# Altium PCB Fri3d_2020_Time_Blaster_01.PcbDoc (part 2 of 2)
Units mm, origin at the board's own origin, x right, y up, seen from the top; angles counter-clockwise.
Board outline 161.79 x 127.06 mm, 2 copper layers (Top Layer, Bottom Layer), stack 1.571 mm thick; 73 components, 58 nets, 276 pads, 26 vias.
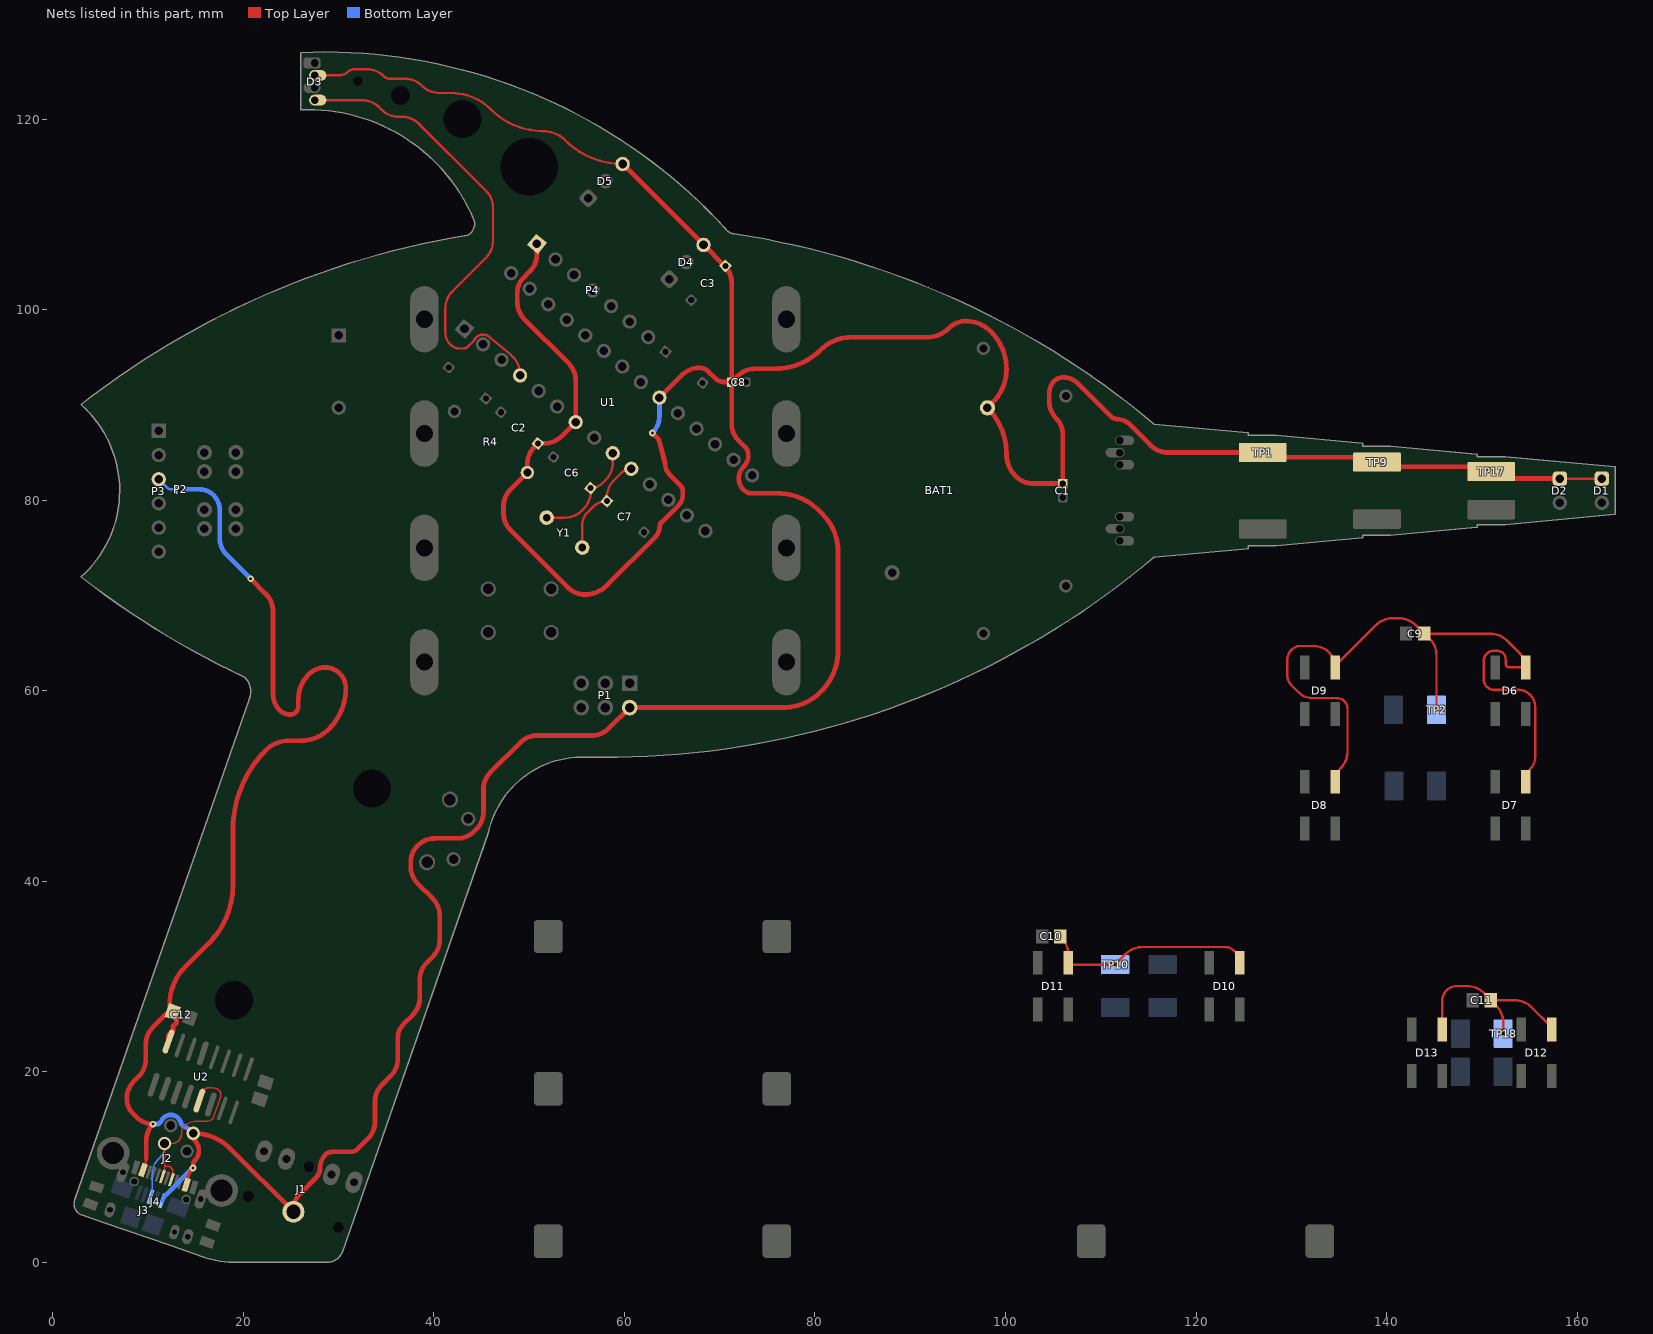
[diagram p2: the nets of this part, all layers, seen from the top]

## Via types
v1: diameter 0.7, hole 0.3, Top Layer to Bottom Layer, 26 vias

## Nets (pads, with @x,y where several pads share a name; then routed paths per layer and width w, separated by ;. In a path a pad name is that pad's centre, name@x,y a point inside that pad or via, vN(x,y) a via of type N, cw(c..) or ccw(c..) an arc to the next point about the centre after c; other vN are vias at no path point) (continued)
USB.D_p: J2.3 J3.3 J4.A6 J4.B6 U2.5 | length 24.2
  Top Layer w0.15: J4.A6@11.493,8.99 ccw(c10.958,9.525) 11.715,9.525 11.715,10.1 ; J4.B6@12.439,8.665 ccw(c12.049,9.054) 12.6,9.054 12.6,9.6 ccw(c12.359,9.6) 12.529,9.771 12.3,10 ccw(c12.059,9.759) 12.059,10.1 11.715,10.1 ; U2.5@15.369,16.978 cw(c16.796,16.978) 15.787,17.987 16,18.2 cw(c16.241,17.959) 16.241,18.3 16.776,18.3 cw(c16.776,17.276) 17.5,18 cw(c17.259,17.759) 17.6,17.759 17.6,17.371 16.836,15.153 16.756,15.073 cw(c16.098,15.731) 16.098,14.8 15.149,14.8 ccw(c15.149,12.751) 13.7,14.2 ccw(c14.183,13.717) 13.5,13.717 13.5,13.5 cw(c12.462,13.5) 12.462,12.462 J2.3@11.715,12.462 11.715,10.1
  Bottom Layer w0.15: J3.3@10.237,6.863 ccw(c9.844,7.256) 10.4,7.256 10.4,9.148 cw(c12.94,9.148) 11.144,10.944 11.3,11.1 ccw(c10.299,12.101) 11.715,12.101 J2.3@11.715,12.462
V_B: C9.1 D6.1 D7.1 D8.1 D9.1 TP2.1 | length 80.8
  Top Layer w0.25: D8.1@134.6,50.45 D8.1@134.6,50.45 cw(c136.649,50.451) 135.2,51.9 ccw(c133.51,53.59) 135.9,53.59 135.9,58.1 ccw(c134.764,58.1) 134.764,59.236 132.115,59.236 cw(c132.117,61.051) 130.833,59.768 130,60.601 cw(c131.023,61.623) 129.577,61.623 129.577,63.301 cw(c130.6,63.301) 129.655,63.693 ccw(c129.425,63.789) 129.663,63.715 cw(c131,63.301) 130.823,64.689 130.834,64.7 132.35,64.7 cw(c132.35,62.45) 134.587,62.692 cw(c132.35,62.45) D9.1@134.6,62.45 ; D9.1@134.706,62.706 138.856,66.856 cw(c140.652,65.06) 140.652,67.6 141.298,67.6 cw(c141.298,65.06) 143.094,66.856 C9.1@143.95,66 C9.1@144,66 ; v1(145.25,58) 145.25,63.698 ccw(c142.71,63.698) 144.506,65.494 C9.1@144,66 ; D7.1@154.6,50.45 154.6,50.593 cw(c156.307,50.593) 155.1,51.8 ccw(c153.893,53.007) 155.6,53.007 155.6,58.3 ccw(c153.8,58.3) 153.8,60.1 151.3,60.1 cw(c151.3,61.2) 150.2,61.2 150.2,63.1 cw(c151.3,63.1) 151.3,64.2 151.6,64.2 cw(c151.6,63.3) 152.5,63.3 152.5,62.85 ccw(c152.9,62.85) 152.9,62.45 D6.1@154.6,62.45 154.6,62.451 ccw(c152.551,62.451) 154,63.9 152.644,65.256 ccw(c150.848,63.46) 150.848,66 C9.1@144,66
V_M: C10.1 D10.1 D11.1 TP10.1 | length 22.6
  Top Layer w0.25: C10.1@105.75,34.2 105.856,34.094 cw(c104.06,32.298) 106.6,32.298 D11.1@106.6,31.45 106.6,31.25 v1(111.5,31.25) 112.606,32.356 cw(c114.402,30.56) 114.402,33.1 123.036,33.1 cw(c123.036,31.734) 124.002,32.7 124.224,32.478 cw(c123.427,31.681) D10.1@124.554,31.681
V_S: C11.1 D12.1 D13.1 TP18.1 | length 21.1
  Top Layer w0.25: D13.1@145.85,24.45 145.85,27.46 cw(c147.39,27.46) 147.39,29 148.448,29 cw(c148.448,26.46) 150.244,28.256 150.915,27.585 cw(c150.829,27.5) C11.1@150.95,27.5 ; v1(152.25,24) 152.25,25.148 ccw(c149.71,25.148) 151.506,26.944 C11.1@150.95,27.5 ; D12.1@157.35,24.45 ccw(c156.867,24.45) 157.209,24.791 155.244,26.756 ccw(c153.448,24.96) 153.448,27.5 C11.1@150.95,27.5
VCC: BAT1.1 C1.1 C2.1 C3.1 C8.1 C12.1 D1.1 D2.1 D3.2 D4.3 D5.3 J1.1 J2.1 J3.1 J4.A4 J4.A9 J4.B4 J4.B9 P1.2 P2.1 P4.1 R4.1 TP1.1 TP9.1 TP17.1 U1.7 U1.20 U2.16 | length 544.6
  Top Layer w0.25: D3.2@27.4,124.6 30.034,124.6 ccw(c30.034,125.966) 31,125 cw(c31.604,124.396) 31.604,125.25 32.948,125.25 cw(c32.948,122.71) 34.744,124.506 ccw(c35.362,125.124) 35.362,124.25 36.948,124.25 cw(c36.948,121.71) 38.744,123.506 ccw(c40.569,125.331) 40.569,122.75 41.801,122.75 cw(c41.801,116.837) 45.982,121.018 ; 45.982,121.018 ccw(c51.457,126.493) 51.457,118.75 cw(c51.457,115.463) 53.782,117.787 ccw(c59.796,123.801) D5.3@59.796,115.296 ; D2.1@158.2,82.27 D1.1@162.6,82.27
  Top Layer w0.3: J4.A4@9.318,9.739 J4.A4@9.318,9.739 ccw(c8.16,10.9) 9.8,10.9 ; J4.A9@14.14,8.079 J4.B4@14.14,8.549
  Top Layer w0.4: J4.B4@14.14,8.549 cw(c16.051,8.549) v1(14.7,9.9)
  Top Layer w0.5: 9.8,10.9 9.8,12.81 cw(c12.19,12.81) v1(10.5,14.5) cw(c10.5,16.914) 8.793,15.207 8.42,15.58 cw(c10.038,17.198) 7.75,17.198 cw(c10.29,17.198) 8.494,18.994 9.006,19.506 ccw(c7.21,21.302) 9.75,21.302 9.75,22.882 cw(c12.29,22.882) 10.494,24.678 11.751,25.935 cw(c12.579,25.106) C12.1@12.579,26.278 ; U2.16@12.129,23.17 12.129,23.817 12.6,24.289 12.6,24.771 12.889,25.06 ccw(c12.699,25.25) 12.968,25.25 12.968,25.339 ccw(c11.64,25.339) C12.1@12.579,26.278 ; v1(14.7,9.9) ccw(c14.628,9.972) 14.73,9.972 14.73,10.3 cw(c15.23,10.3) 14.871,10.649 14.873,10.651 ccw(c13.77,11.727) 14.872,12.804 cw(c15.23,13.154) 14.73,13.154 J2.1@14.73,13.539 cw(c14.73,8.031) 18.623,11.927 18.626,11.924 J1.1@25.164,5.386 ; v1(20.75,71.75) 22.356,70.144 cw(c20.56,68.348) 23.1,68.348 23.1,59.63 ccw(c25.466,59.63) 23.793,57.957 ccw(c24.896,59.061) 24.896,57.5 ccw(c24.896,58.354) 25.75,58.354 25.75,59.027 cw(c29.601,59.027) 26.878,61.75 cw(c28.568,60.06) 28.568,62.45 cw(c28.568,60.268) 30.75,60.268 cw(c24.672,60.268) 28.97,55.97 cw(c26.025,58.914) 26.025,54.75 24.756,54.75 ccw(c24.756,51.356) 22.356,53.756 ccw(c30.7,45.412) 18.9,45.412 18.9,39.593 cw(c10.286,39.593) 16.377,33.502 13.879,31.004 ccw(c17.811,27.071) 12.25,27.071 ccw(c13.372,27.071) C12.1@12.579,26.278 ; J1.1@25.25,5.3 25.25,5.473 cw(c27.79,5.473) 25.994,7.269 27.622,8.897 ccw(c26.605,9.913) 28.043,9.913 cw(c30.02,9.913) 28.622,11.311 cw(c29.32,10.613) 28.623,11.312 cw(c29.32,10.613) 29.32,11.6 31.276,11.6 ccw(c31.276,12.624) 32,11.9 33.056,12.956 ccw(c31.26,14.752) 33.8,14.752 33.8,16.848 cw(c36.34,16.848) 34.544,18.644 35.456,19.556 ccw(c33.66,21.352) 36.2,21.352 36.2,23.5 cw(c38.373,23.5) 36.836,25.036 37.8,26 ccw(c36.11,27.69) 38.5,27.69 38.5,29.648 cw(c41.04,29.648) 39.244,31.444 39.856,32.056 ccw(c38.06,33.852) 40.6,33.852 40.6,36.398 ccw(c38.06,36.398) 39.856,38.194 38.294,39.756 cw(c40.09,41.552) 37.55,41.552 37.55,41.96 cw(c40.09,41.96) 37.617,42.541 cw(c40.09,41.96) 40,44.498 cw(c40.09,41.96) 40.09,44.5 42.448,44.5 ccw(c42.448,47.04) 44.244,45.244 44.445,45.445 ccw(c42.649,47.241) 45.189,47.241 45.189,49.637 cw(c47.729,49.637) 45.933,51.433 49.056,54.556 cw(c50.852,52.76) 50.852,55.3 56.558,55.3 ccw(c56.558,57.84) 58.354,56.044 P1.2@60.54,58.23 76.639,58.23 76.641,58.23 ccw(c76.641,63.846) 80.612,59.875 ccw(c76.24,64.25) 82.425,64.25 82.425,74.607 82.425,74.609 ccw(c76.894,74.609) 80.805,78.52 80.803,78.522 80.398,78.927 80.395,78.93 ccw(c76.061,74.595) 76.061,80.725 76.059,80.725 73.405,80.725 cw(c73.405,82.005) 72.5,81.1 72.49,81.11 cw(c73.673,82.293) 72,82.293 cw(c73.707,82.293) 72.5,83.5 ccw(c71.293,84.707) 73,84.707 73,84.75 ccw(c71.793,84.75) 72.646,85.604 71.957,86.293 cw(c73.664,88) 71.25,88 C8.1@71.25,92.402 ; P4.1@50.811,106.913 50.811,105.817 cw(c48.271,105.817) 50.067,104.021 49.408,103.362 ccw(c50.998,101.773) 48.75,101.773 48.75,100.802 ccw(c51.29,100.802) 49.494,99.006 54.134,94.366 cw(c52.338,92.57) 54.878,92.57 U1.7@54.878,88.198 53.392,86.711 cw(c51.596,88.507) 51.596,85.967 C2.1@50.914,85.967 50.544,85.597 ccw(c52.34,83.801) 49.8,83.801 R4.1@49.8,82.9 48.044,81.144 ccw(c49.84,79.348) 47.3,79.348 47.3,78.652 ccw(c49.84,78.652) 48.044,76.856 54.056,70.844 ccw(c55.852,72.64) 55.852,70.1 ccw(c55.852,73.354) 58.153,71.053 63.205,76.105 ccw(c62.01,77.3) 63.7,77.3 cw(c64.183,77.3) 63.841,77.641 65.693,79.493 ccw(c64.65,80.536) 66.125,80.536 66.125,80.925 ccw(c65.22,80.925) 65.86,81.565 64.752,82.673 cw(c65.905,83.825) 64.275,83.825 ccw(c63.775,83.825) 64.258,83.954 63.659,86.219 ccw(c63.175,86.093) 63.532,86.443 63.531,86.444 v1(62.925,87.05) ; D5.3@59.796,115.296 D4.3@68.296,106.796 70.546,104.546 cw(c68.847,102.847) 71.25,102.847 C8.1@71.25,92.402 ; U1.20@63.668,90.77 66.054,93.156 cw(c67.85,91.36) 67.85,93.9 cw(c67.85,92.546) 68.807,93.503 69.468,92.843 ; 69.468,92.844 ccw(c70.534,93.909) 70.534,92.402 C8.1@70.789,92.402 ; C8.1@70.961,92.402 C8.1@71.25,92.402 ; D2.1@158.2,82.27 151.73,82.27 TP17.1@151,83 150.5,83.5 139.5,83.5 TP9.1@139,84 138.5,84.5 128.6,84.5 128.1,85 TP1.1@127,85 117.052,85 cw(c117.052,87.54) 115.256,85.744 113.03,87.97 ccw(c111.75,86.689) 111.75,88.5 cw(c111.75,89.434) 111.09,88.773 107.627,92.236 ccw(c106.024,90.632) 106.024,92.9 ccw(c106.024,91.636) 105.13,92.53 ccw(c106.409,91.251) 104.6,91.251 104.6,90.352 ccw(c107.14,90.352) 105.344,88.556 cw(c103.76,86.972) 106,86.972 C1.1@106,81.75 102.902,81.75 cw(c102.902,84.29) 101.106,82.494 101.07,82.53 cw(c103.411,84.872) 100.1,84.872 ccw(c93.272,84.872) BAT1.1@98.1,89.7 98.667,90.267 ccw(c95.207,93.727) 100.1,93.727 ccw(c94.443,93.727) 98.443,97.727 ccw(c95.852,95.136) 95.852,98.8 ccw(c95.852,96.26) 94.056,98.056 cw(c91.748,100.364) 91.748,97.1 83.812,97.1 ccw(c83.812,92.484) 80.548,95.748 cw(c75.845,100.451) 75.845,93.8 73.7,93.8 ccw(c73.7,91.26) 71.904,93.056 C8.1@71.25,92.402
  Bottom Layer w0.4: J3.1@11.466,6.44 J3.1@11.795,6.995
  Bottom Layer w0.5: v1(10.5,14.5) 10.892,14.5 ccw(c10.892,15) 11.349,14.799 cw(c12.366,14.353) 13.442,14.626 ccw(c13.926,14.749) 13.727,14.29 cw(c12.716,11.96) 14.513,13.756 J2.1@14.73,13.539 ; J3.1@11.795,6.995 v1(14.7,9.9) ; P2.1@13.9,81.15 15.35,81.15 cw(c15.35,79) 17.5,79 17.5,76.052 ccw(c20.04,76.052) 18.244,74.256 18.803,73.697 v1(20.75,71.75) ; v1(62.925,87.05) ccw(c61.132,88.843) 63.668,88.843 U1.20@63.668,90.77
VFTDI: P2.2 P3.3 | length 2.2
  Bottom Layer w0.25: P3.3@11.113,82.2 12.02,81.293 ccw(c12.366,81.639) 12.366,81.15 P2.2@12.9,81.15
WS2812: D3.4 U1.4 | length 50.2
  Top Layer w0.25: D3.4@27.4,122 32.448,122 cw(c32.448,119.46) 34.244,121.256 34.506,120.994 ccw(c36.302,122.79) 36.302,120.25 36.644,120.25 cw(c36.644,117.71) 38.44,119.506 44.873,113.073 45.456,112.49 cw(c43.66,110.694) 46.2,110.694 46.2,107.252 cw(c43.66,107.252) 45.456,105.456 41.944,101.944 ccw(c43.74,100.148) 41.2,100.148 41.2,97.592 ccw(c42.992,97.592) 41.725,96.325 ccw(c42.691,97.291) 42.691,95.925 43.1,95.925 ccw(c43.1,96.589) 43.569,96.119 44.175,96.725 44.181,96.732 ccw(c43.992,96.895) 44.219,96.791 cw(c45.149,96.361) 45.047,97.381 cw(c45.149,96.361) 45.808,97.147 48.05,95.275 48.297,95.028 cw(c46.501,93.232) 49.041,93.232 U1.4@49.041,93.096
XTAL1: C6.1 U1.9 Y1.1 | length 11.4
  Top Layer w0.25: Y1.1@51.831,78.168 53.741,78.168 ccw(c53.741,80.708) 55.537,78.912 55.702,79.077 ccw(c53.906,80.873) 56.446,80.873 C6.1@56.446,81.267 ccw(c56.446,83.009) 57.678,81.778 58.026,82.126 ccw(c56.23,83.922) 58.77,83.922 U1.9@58.77,84.932
XTAL2: C7.1 U1.10 Y1.2 | length 10.9
  Top Layer w0.25: Y1.2@55.569,75.032 55.569,77.383 cw(c57.467,77.383) 56.125,78.725 56.701,79.301 cw(c58.154,77.847) C7.1@58.154,79.903 58.154,80.302 cw(c60.694,80.302) 58.898,82.098 59.664,82.864 cw(c60.715,81.813) U1.10@60.715,83.3
pads on no net: J1.0 J3.4 J4.A8 J4.B8 SW2.1 SW2.2 SW2.3 SW2.4 U2.7 U2.8 U2.9 U2.10 U2.11 U2.12 U2.14 U2.15
copper on no net: | length 2025.6
  Top Layer w0.5: 47.007,4.401 cw(c70,-23) 92.993,4.401 ; 47.007,20.401 cw(c70,-7) 92.993,20.401 ; 47.007,36.401 cw(c70,9) 92.993,36.401 ; 104.007,4.401 cw(c127,-23) 149.993,4.401 ; 100.861,26.683 cw(c114,29) 100.861,31.317 101.788,31.153 ccw(c114,29) 101.788,26.847 100.861,26.683 ; 105.424,18.78 ccw(c114,29) 109.437,16.463 111.264,21.482 cw(c114,29) 108.858,22.872 105.424,18.78 ; 105.424,39.22 cw(c114,29) 109.437,41.537 111.264,36.518 ccw(c114,29) 108.858,35.128 105.424,39.22 ; 111.683,15.861 ccw(c114,29) 116.317,15.861 115.216,22.106 cw(c114,29) 112.784,22.106 111.683,15.861 ; 111.683,42.139 cw(c114,29) 116.317,42.139 115.216,35.894 ccw(c114,29) 112.784,35.894 111.683,42.139 ; 116.736,21.482 ccw(c114,29) 119.142,22.872 122.576,18.78 cw(c114,29) 118.563,16.463 116.736,21.482 ; 116.736,36.518 cw(c114,29) 119.142,35.128 122.576,39.22 ccw(c114,29) 118.563,41.537 116.736,36.518 ; 126.212,26.847 ccw(c114,29) 126.212,31.153 127.139,31.317 cw(c114,29) 127.139,26.683 126.212,26.847
  Top Layer w0.75: 162,54 ccw(c143,54) 162,54
  Top Layer w2: 53.115,6.246 cw(c70,-23) 58.45,8.733 ; 53.115,22.246 cw(c70,-7) 58.45,24.733 ; 53.115,38.246 cw(c70,9) 58.45,40.733 ; 61.26,9.619 cw(c70,-23) 67.057,10.641 ; 61.26,25.619 cw(c70,-7) 67.057,26.641 ; 61.26,41.619 cw(c70,9) 67.057,42.641 ; 70,10.77 cw(c70,-23) 75.864,10.257 ; 70,26.77 cw(c70,-7) 75.864,26.257 ; 70,42.77 cw(c70,9) 75.864,42.257 ; 78.74,9.619 cw(c70,-23) 84.272,7.606 ; 78.74,25.619 cw(c70,-7) 84.272,23.606 ; 78.74,41.619 cw(c70,9) 84.272,39.606 ; 110.115,6.246 cw(c127,-23) 115.45,8.733 ; 118.26,9.619 cw(c127,-23) 124.057,10.641 ; 127,10.77 cw(c127,-23) 132.864,10.257 ; 135.74,9.619 cw(c127,-23) 141.272,7.606
  Bottom Layer w0.25: 102.991,26.175 cw(c104,29) 103.022,31.836 ; 104.218,34.787 cw(c106.929,36.071) 108.243,38.768 ; 104.232,23.243 ccw(c106.929,21.929) 108.213,19.218 ; 106.018,26.78 ccw(c104,29) 106.018,31.22 ; 106.786,24.926 cw(c106.929,21.929) 109.926,21.786 ; 106.786,33.074 ccw(c106.929,36.071) 109.926,36.214 ; 111.164,18.022 ccw(c114,19) 116.825,17.991 ; 111.175,40.009 cw(c114,39) 116.836,39.978 ; 111.78,21.018 cw(c114,19) 116.22,21.018 ; 111.78,36.982 ccw(c114,39) 116.22,36.982 ; 118.074,21.786 cw(c121.071,21.929) 121.214,24.926 ; 118.074,36.214 ccw(c121.071,36.071) 121.214,33.074 ; 119.757,19.232 ccw(c121.071,21.929) 123.782,23.213 ; 119.787,38.782 cw(c121.071,36.071) 123.768,34.757 ; 121.982,26.78 cw(c124,29) 121.982,31.22 ; 124.978,26.164 ccw(c124,29) 125.009,31.825 ; 106.761,25.173 ccw(c104.761,25.173) 106.761,25.173 ; 106.761,32.827 ccw(c104.761,32.827) 106.761,32.827 ; 107.929,21.929 ccw(c106.929,21.929) 107.929,21.929 ; 107.929,36.071 ccw(c106.929,36.071) 107.929,36.071 ; 108,29 ccw(c104,29) 108,29 ; 112.173,19.761 ccw(c110.173,19.761) 112.173,19.761 ; 112.173,38.239 ccw(c110.173,38.239) 112.173,38.239 ; 118,19 ccw(c114,19) 118,19 ; 118,39 ccw(c114,39) 118,39 ; 119.827,19.761 ccw(c117.827,19.761) 119.827,19.761 ; 119.827,38.239 ccw(c117.827,38.239) 119.827,38.239 ; 122.071,21.929 ccw(c121.071,21.929) 122.071,21.929 ; 122.071,36.071 ccw(c121.071,36.071) 122.071,36.071 ; 125.239,25.173 ccw(c123.239,25.173) 125.239,25.173 ; 125.239,32.827 ccw(c123.239,32.827) 125.239,32.827 ; 128,29 ccw(c124,29) 128,29
  Bottom Layer w0.5: 47.007,4.401 cw(c70,-23) 92.993,4.401 ; 47.007,20.401 cw(c70,-7) 92.993,20.401 ; 47.007,36.401 cw(c70,9) 92.993,36.401 ; 104.007,4.401 cw(c127,-23) 149.993,4.401 ; 141,22 cw(c150,22) 141.137,23.563 144.091,23.042 cw(c150,22) 144.362,24.052 141.543,25.078 cw(c150,22) 142.206,26.5 144.804,25 cw(c150,22) 145.404,25.857 143.106,27.785 cw(c150,22) 144.215,28.894 146.143,26.596 cw(c150,22) 147,27.196 145.5,29.794 cw(c150,22) 146.922,30.457 147.948,27.638 cw(c150,22) 148.958,27.909 148.437,30.863 cw(c150,22) 150,31 150,28 cw(c150,22) 151.042,27.909 151.563,30.863 cw(c150,22) 153.078,30.457 152.052,27.638 cw(c150,22) 153,27.196 154.5,29.794 cw(c150,22) 155.785,28.894 153.857,26.596 cw(c150,22) 154.596,25.857 156.894,27.785 cw(c150,22) 157.794,26.5 155.196,25 cw(c150,22) 155.638,24.052 158.457,25.078 cw(c150,22) 158.863,23.563 155.909,23.042 cw(c150,22) 156,22 159,22 cw(c150,22) 158.863,20.437 155.909,20.958 cw(c150,22) 155.638,19.948 158.457,18.922 cw(c150,22) 157.794,17.5 155.196,19 cw(c150,22) 154.596,18.143 156.894,16.215 cw(c150,22) 155.785,15.106 153.857,17.404 cw(c150,22) 153,16.804 154.5,14.206 cw(c150,22) 153.078,13.543 152.052,16.362 cw(c150,22) 151.042,16.091 151.563,13.137 cw(c150,22) 150,13 150,16 cw(c150,22) 148.958,16.091 148.437,13.137 cw(c150,22) 146.922,13.543 147.948,16.362 cw(c150,22) 147,16.804 145.5,14.206 cw(c150,22) 144.215,15.106 146.143,17.404 cw(c150,22) 145.404,18.143 143.106,16.215 cw(c150,22) 142.206,17.5 144.804,19 cw(c150,22) 144.362,19.948 141.543,18.922 cw(c150,22) 141.137,20.437 144.091,20.958 cw(c150,22) 144,22 141,22
  Bottom Layer w0.55: 134,54 ccw(c130,54) 134,54 ; 134,54 ccw(c133,54) 134,54 ; 137.808,44.808 ccw(c133.808,44.808) 137.808,44.808 ; 137.808,44.808 ccw(c136.808,44.808) 137.808,44.808 ; 137.808,63.192 ccw(c133.808,63.192) 137.808,63.192 ; 137.808,63.192 ccw(c136.808,63.192) 137.808,63.192 ; 147,41 ccw(c143,41) 147,41 ; 147,41 ccw(c146,41) 147,41 ; 147,67 ccw(c146,67) 147,67 ; 147,67 ccw(c143,67) 147,67 ; 156.192,44.808 ccw(c155.192,44.808) 156.192,44.808 ; 156.192,44.808 ccw(c152.192,44.808) 156.192,44.808 ; 156.192,63.192 ccw(c152.192,63.192) 156.192,63.192 ; 156.192,63.192 ccw(c155.192,63.192) 156.192,63.192 ; 160,54 ccw(c159,54) 160,54 ; 160,54 ccw(c156,54) 160,54 ; 128,54 ccw(c127,54) 128,54 ; 128.879,51.879 ccw(c127.879,51.879) 128.879,51.879 ; 128.879,56.121 ccw(c127.879,56.121) 128.879,56.121 ; 131,51 ccw(c130,51) 131,51 ; 131,57 ccw(c130,57) 131,57 ; 131.808,44.808 ccw(c130.808,44.808) 131.808,44.808 ; 131.808,63.192 ccw(c130.808,63.192) 131.808,63.192 ; 132,54 ccw(c130,54) 132,54 ; 132.686,42.686 ccw(c131.686,42.686) 132.686,42.686 ; 132.686,46.929 ccw(c131.686,46.929) 132.686,46.929 ; 132.686,61.071 ccw(c131.686,61.071) 132.686,61.071 ; 132.686,65.314 ccw(c131.686,65.314) 132.686,65.314 ; 133.121,51.879 ccw(c132.121,51.879) 133.121,51.879 ; 133.121,56.121 ccw(c132.121,56.121) 133.121,56.121 ; 134.808,41.808 ccw(c133.808,41.808) 134.808,41.808 ; 134.808,47.808 ccw(c133.808,47.808) 134.808,47.808 ; 134.808,60.192 ccw(c133.808,60.192) 134.808,60.192 ; 134.808,66.192 ccw(c133.808,66.192) 134.808,66.192 ; 135.808,44.808 ccw(c133.808,44.808) 135.808,44.808 ; 135.808,63.192 ccw(c133.808,63.192) 135.808,63.192 ; 136.929,42.686 ccw(c135.929,42.686) 136.929,42.686 ; 136.929,46.929 ccw(c135.929,46.929) 136.929,46.929 ; 136.929,61.071 ccw(c135.929,61.071) 136.929,61.071 ; 136.929,65.314 ccw(c135.929,65.314) 136.929,65.314 ; 141,41 ccw(c140,41) 141,41 ; 141,67 ccw(c140,67) 141,67 ; 141.879,38.879 ccw(c140.879,38.879) 141.879,38.879 ; 141.879,43.121 ccw(c140.879,43.121) 141.879,43.121 ; 141.879,64.879 ccw(c140.879,64.879) 141.879,64.879 ; 141.879,69.121 ccw(c140.879,69.121) 141.879,69.121 ; 144,38 ccw(c143,38) 144,38 ; 144,44 ccw(c143,44) 144,44 ; 144,64 ccw(c143,64) 144,64 ; 144,70 ccw(c143,70) 144,70 ; 145,41 ccw(c143,41) 145,41 ; 145,67 ccw(c143,67) 145,67 ; 146.121,38.879 ccw(c145.121,38.879) 146.121,38.879 ; 146.121,43.121 ccw(c145.121,43.121) 146.121,43.121 ; 146.121,64.879 ccw(c145.121,64.879) 146.121,64.879 ; 146.121,69.121 ccw(c145.121,69.121) 146.121,69.121 ; 150.192,44.808 ccw(c149.192,44.808) 150.192,44.808 ; 150.192,63.192 ccw(c149.192,63.192) 150.192,63.192 ; 151.071,42.686 ccw(c150.071,42.686) 151.071,42.686 ; 151.071,46.929 ccw(c150.071,46.929) 151.071,46.929 ; 151.071,61.071 ccw(c150.071,61.071) 151.071,61.071 ; 151.071,65.314 ccw(c150.071,65.314) 151.071,65.314 ; 153.192,41.808 ccw(c152.192,41.808) 153.192,41.808 ; 153.192,47.808 ccw(c152.192,47.808) 153.192,47.808 ; 153.192,60.192 ccw(c152.192,60.192) 153.192,60.192 ; 153.192,66.192 ccw(c152.192,66.192) 153.192,66.192 ; 154,54 ccw(c153,54) 154,54 ; 154.192,44.808 ccw(c152.192,44.808) 154.192,44.808 ; 154.192,63.192 ccw(c152.192,63.192) 154.192,63.192 ; 154.879,51.879 ccw(c153.879,51.879) 154.879,51.879 ; 154.879,56.121 ccw(c153.879,56.121) 154.879,56.121 ; 155.314,42.686 ccw(c154.314,42.686) 155.314,42.686 ; 155.314,46.929 ccw(c154.314,46.929) 155.314,46.929 ; 155.314,61.071 ccw(c154.314,61.071) 155.314,61.071 ; 155.314,65.314 ccw(c154.314,65.314) 155.314,65.314 ; 157,51 ccw(c156,51) 157,51 ; 157,57 ccw(c156,57) 157,57 ; 158,54 ccw(c156,54) 158,54 ; 159.121,51.879 ccw(c158.121,51.879) 159.121,51.879 ; 159.121,56.121 ccw(c158.121,56.121) 159.121,56.121
  Bottom Layer w2: 53.115,6.246 cw(c70,-23) 58.45,8.733 ; 53.115,22.246 cw(c70,-7) 58.45,24.733 ; 53.115,38.246 cw(c70,9) 58.45,40.733 ; 61.26,9.619 cw(c70,-23) 67.057,10.641 ; 61.26,25.619 cw(c70,-7) 67.057,26.641 ; 61.26,41.619 cw(c70,9) 67.057,42.641 ; 70,10.77 cw(c70,-23) 75.864,10.257 ; 70,26.77 cw(c70,-7) 75.864,26.257 ; 70,42.77 cw(c70,9) 75.864,42.257 ; 78.74,9.619 cw(c70,-23) 84.272,7.606 ; 78.74,25.619 cw(c70,-7) 84.272,23.606 ; 78.74,41.619 cw(c70,9) 84.272,39.606 ; 110.115,6.246 cw(c127,-23) 115.45,8.733 ; 118.26,9.619 cw(c127,-23) 124.057,10.641 ; 127,10.77 cw(c127,-23) 132.864,10.257 ; 135.74,9.619 cw(c127,-23) 141.272,7.606

## Polygon pours and split planes (outlines as drawn)
GND on Bottom Layer "GND_L02_P000" (hatched 45Degree grid 1 track 0.2, remove dead copper, pour order 0): 0,0 19.7,59.5 2.4,70.9 2.2,91 25.7,106.9 42.1,109.2 24.4,119.8 24.6,128.2 31.4,128.2 52.2,125 66.1,116.1 72.4,109.9 98.1,103.4 114.2,90.6 139.8,87.6 165.5,85 165.2,77.1 117.5,72.8 94.5,58.3 65.9,50.2 49.5,51.7 47.5,43.9 31,-0.5

## Keep-outs
Keep-Out Layer:
  text ".Layer_Name" at 264.902,-46.311 h3.5

## Other copper
Top Layer:
  region: 89.745,86.37 cw(c89.661,86.515) 89.577,86.659 90.951,87.454 cw(c92.032,87.9) 90.936,87.493 90.422,87.355 cw(c90.396,87.452) 90.37,87.549 90.882,87.686 cw(c92.032,87.9) 90.872,87.756 89.924,87.757 cw(c89.924,87.891) 89.924,88.025 90.869,88.024 cw(c92.032,87.9) 90.88,88.098 90.369,88.235 cw(c90.395,88.332) 90.421,88.429 90.931,88.293 cw(c92.032,87.9) 90.945,88.331 89.572,89.126 cw(c89.656,89.27) 89.74,89.415 91.112,88.622 cw(c92.032,87.9) 91.137,88.652 90.766,89.021 cw(c90.837,89.092) 90.908,89.163 91.279,88.794 cw(c92.032,87.9) 91.335,88.839 90.865,89.654 cw(c90.981,89.721) 91.097,89.788 91.567,88.973 cw(c92.032,87.9) 91.637,89 91.501,89.508 cw(c91.598,89.534) 91.695,89.56 91.832,89.052 cw(c92.032,87.9) 91.871,89.058 91.871,90.648 cw(c92.038,90.648) 92.206,90.648 92.206,89.056 cw(c92.032,87.9) 92.244,89.05 92.381,89.561 cw(c92.478,89.535) 92.578,89.535 cw(c92.478,89.535) 92.575,89.509 92.438,88.996 cw(c92.032,87.9) 92.506,88.969 92.979,89.787 cw(c93.095,89.72) 93.229,89.72 cw(c93.095,89.72) 93.211,89.653 92.737,88.833 cw(c92.032,87.9) 92.792,88.788 93.167,89.164 cw(c93.239,89.093) 93.339,89.093 cw(c93.239,89.093) 93.31,89.022 92.933,88.645 cw(c92.032,87.9) 92.958,88.614 94.345,89.415 cw(c94.429,89.27) 94.596,89.27 cw(c94.429,89.27) 94.513,89.125 93.123,88.322 cw(c92.032,87.9) 93.134,88.292 93.654,88.432 cw(c93.68,88.335) 93.781,88.335 cw(c93.68,88.335) 93.706,88.238 93.185,88.098 cw(c92.032,87.9) 93.195,88.023 94.151,88.023 cw(c94.151,87.889) 94.285,87.889 cw(c94.151,87.889) 94.151,87.755 93.193,87.755 cw(c92.032,87.9) 93.183,87.692 93.707,87.552 cw(c93.681,87.455) 93.781,87.455 cw(c93.681,87.455) 93.655,87.358 93.13,87.498 cw(c92.032,87.9) 93.117,87.462 94.507,86.659 cw(c94.423,86.514) 94.59,86.514 cw(c94.423,86.514) 94.339,86.369 92.949,87.173 cw(c92.032,87.9) 92.928,87.148 93.315,86.761 cw(c93.244,86.69) 93.345,86.69 cw(c93.244,86.69) 93.173,86.619 92.786,87.005 cw(c92.032,87.9) 92.728,86.96 93.209,86.125 cw(c93.093,86.059) 93.227,86.059 cw(c93.093,86.059) 92.977,85.992 92.496,86.826 cw(c92.032,87.9) 92.437,86.802 92.578,86.276 cw(c92.481,86.25) 92.582,86.25 cw(c92.481,86.25) 92.384,86.224 92.243,86.749 cw(c92.032,87.9) 92.206,86.743 92.206,77.109 cw(c92.038,77.109) 91.871,77.109 91.871,86.741 cw(c92.032,87.9) 91.838,86.746 91.698,86.223 cw(c91.601,86.249) 91.504,86.275 91.643,86.797 cw(c92.032,87.9) 91.576,86.823 91.096,85.992 cw(c90.98,86.059) 90.864,86.127 91.343,86.955 cw(c92.032,87.9) 91.288,86.997 90.907,86.615 cw(c90.836,86.686) 90.765,86.757 91.145,87.138 cw(c92.032,87.9) 91.122,87.166
  region: 194 vertices and 0 holes, not listed, extent 26.1,23.194 27.355,24.448
  region: 191 vertices and 0 holes, not listed, extent 27.324,25.853 28.303,26.978
  region: 332 vertices and 1 holes, not listed, extent 29.91,24.288 31.773,25.849
  region: 377 vertices and 2 holes, not listed, extent 31.181,26.884 33.034,28.464
  region: 3357 vertices and 17 holes, not listed, extent 25.251,20.678 35.597,33.15
  region: 265 vertices and 0 holes, not listed, extent 29.792,30.782 31.065,32.037
  text ".Layer_Name" at 264.902,-46.311 h3.5
Bottom Layer:
  region: 85.646,92.985 91.993,92.929 92.05,93.075 85.626,93.111
  region: 83.684,93.002 81.639,93.02 81.639,93.15 83.525,93.132
  region: 85.815,93.099
  region: 2137 vertices and 5 holes, not listed, extent 81.639,92.929 92.036,95.804
  region: 90.509,100.574 90.492,100.574 90.492,100.557 90.526,100.557 90.527,100.574 90.527,100.591 90.509,100.592
  region: 570 vertices and 0 holes, not listed, extent 89.549,98.199 90.643,101.068
  region: 380 vertices and 0 holes, not listed, extent 88.447,100.609 90.51,102.068
  region: 638 vertices and 0 holes, not listed, extent 86.662,98.084 89.946,100.469
  region: 460 vertices and 0 holes, not listed, extent 86.737,100.124 88.54,102.126
  text ".Layer_Name" at 264.902,-46.311 h3.5

## Silkscreen, mask and mechanical layers (free items; w line width, h text height)
Top Overlay:
  drawing of 110 lines, arcs and shapes, not listed
  text "100n" at 67.9,101.2 h2 r45
  text "ATMega328p" at 48.5,97.3 h5 r320
  text "100n" at 64.65,94.65 h2 r320
  text "120R" at 99.5,94 h3 r330
  text "100n" at 41.9,93.1 h2 r320
  text "Team" at 12,91.937 h5 r16.72
  text "UART" at 7.75,88.5 h3
  text "33µF" at 69.25,88.483 h3
  text "100n" at 47.4,88.3 h2 r320
  text "10k" at 44,86.8 h3 r320
  text "1" at 16,86.143 h2
  text "G" at 4.6,86 h3
  text "+" at 129.7,83.9 h3
  text "22p" at 53.297,83.4 h2 r320
  text "Rex" at 20.5,83 h4.5
  text "+" at 141.7,82.9 h3
  text "+" at 153.7,81.9 h3
  text "+" at 160.7,81.5 h3
  text "+" at 4.6,80.92 h3
  text "2N3904" at 108.7,80.3 h3
  text "Giggle" at 20.3,79.25 h4.5
  text "22p" at 58.8,78.7 h2 r320
  text "T>" at 4.6,78.38 h3
  text "33µF" at 103.25,76.75 h3
  text "Buzz" at 20.5,76.5 h4.5
  text "16MHz" at 51.1,76.5 h2 r320
  text "R<" at 4.6,75.84 h3
  text "DTR" at 4.6,73.3 h2.5
  text "120R" at 100,66.5 h3 r30
  text "100n" at 141.3,63.8 h2
  text "RST" at 52,62.5 h2 r330
  text "SCK" at 56.5,62.5 h2
  text "MiSo" at 62,61 h2 r30
  text "Vcc" at 61.5,57 h2 r330
  text "MoSi" at 56.204,56 h2
  text "GND" at 52,55.5 h2 r30
  text "Pin" at 18.494,52.405 h2.5 r341
  text "Signal" at 24.356,50.387 h2.5 r341
  text "L" at 40.7,44 h5
  text "100n" at 106.7,33.6 h2
  text "0 / 1 / 2 / 3 / 4 / 5 / 6 / 7 / 8 / 9 / 10 / 11 / A5" at 11.739,32.786 h2.5 r341
  text "RXD / TXD / BUZZER / G-TEAM / B-TEAM / IR.IN1 / IR.IN2 / BADGE LINK / TRIGGER / IR.OUT1 / WS2812 / IR.OUT2 / R-TEAM" at 17.601,30.767 h2.5 r341
  text "100n" at 148.2,28.6 h2
  text "100n" at 15.5,24.75 h2 r341
  text "CH340C" at 12.5,20 h2 r341
  text "100n" at 23.5,15.5 h2 r71
  text "5k1" at 3.8,9.2 h2 r341
  text "BadgeLink" at 19.836,8.005 h2.5 r341
  text "5k1" at 15.919,4.952 h2 r341
  text ".Layer_Name" at 264.902,-46.311 h3.5
Bottom Overlay:
  drawing of 62 lines, arcs and shapes, not listed
  text "V+" at 53.5,109.25 h2 r50
  text "A4" at 55.446,107.617 h2 r50
  text "A3" at 57.392,105.985 h2 r50
  text "A2" at 59.337,104.352 h2 r50
  text "A1" at 61.283,102.719 h2 r50
  text "A0" at 63.229,101.087 h2 r50
  text "GND" at 65.954,100.383 h2 r50
  text "G" at 10.113,85.99 h3
  text "+" at 156.3,81.47 h3
  text "+" at 10.113,80.91 h3
  text "<T" at 10.113,78.37 h3
  text ">R" at 10.113,75.83 h3
  text "DTR" at 10.113,73.29 h2.5
  text ".PCB_TITLE" at 97.1,65.17 h3 r22
  text "FRI3D / CAMP" at 35.7,63.1 h7
  text "Rev. .PCB_Rev" at 94.4,61.67 h3 r22
  text "+" at 147.2,59.2 h3
  text "Wim" at 72.4,58.6 h2 r351
  text "Hans" at 73.2,55.8 h2 r351
  text "K athode / N egatief / A node / P ositief" at 28,55.5 h2 r70.79
  text "K -" at 19.281,45.312 h2 r70.79
  text "A +" at 22.668,44.396 h2 r70.79
  text "R" at 42.5,44 h5
  text "Kleur  - Color  - # - x? / Zwart  - Black  - 0 - ×1 / Bruin  - Brown  - 1 - ×10 / Rood   - Red    - 2 - ×100 / Oranje - Orange - 3 - ×1k / Geel   - Yellow - 4 - ×10k / Groen  - Green  - 5 - ×100k / Blauw  - Blue   - 6 - ×1M / Violet - Violet - 7 - ×10M / Grijs  - Grey   - 8 - ×100M / Wit    - White  - 9 - ×1G" at 43.25,38.5 h2 r70.79
  text "K -" at 15.693,37.296 h2 r70.79
  text "A +" at 20.415,35.65 h2 r70.79
  text "+" at 110.3,33.2 h3 r90
  text "+" at 154.2,25.2 h3
  text ".Layer_Name" at 264.902,-46.311 h3.5
Top Paste:
  text ".Layer_Name" at 264.902,-46.311 h3.5
Bottom Paste:
  text ".Layer_Name" at 264.902,-46.311 h3.5
Top Solder:
  region: 6.475,21.5
  text ".Layer_Name" at 264.902,-46.311 h3.5
Bottom Solder:
  text ".Layer_Name" at 264.902,-46.311 h3.5
Drill Guide:
  text ".Layer_Name" at 264.902,-46.311 h3.5
3D Symbols:
  text ".Layer_Name" at 264.902,-46.311 h3.5
Outline:
  drawing of 177 lines, arcs and shapes, not listed
  text ".Layer_Name" at 264.902,-46.311 h3.5
Comments:
  lines w0.25: 58,78 58,84 ; -7,81 ccw(c58,142.446) 123,81 -7,81
  text ".Layer_Name" at 264.902,-46.311 h3.5
Fabrication:
  text "Red Solder Mask" at -31,-7 h1.5
  text "White Silkscreen" at -31,-10 h1.5
  text "1.6mm Thickness" at -31,-16 h1.5
  text ".Layer_Name" at 264.902,-46.311 h3.5
Placebound Top:
  text ".Layer_Name" at 264.902,-46.311 h3.5
Placebound Bottom:
  text ".Layer_Name" at 264.902,-46.311 h3.5
Comments 2:
  lines w0.1: 1.069,10.839 19.98,4.328 ; 12.451,6.92 14.078,11.648
  lines w0.25: 0,0 164,0 164,127 0,127 0,0
Frame:
  drawing of 15 lines, arcs and shapes, not listed
  text "Document" at 260.402,-31.311 h2
  text ".PCB_TITLE" at 261.902,-36.811 h3.2
  text "Layer Name" at 260.402,-41.311 h2
  text "Date" at 260.402,-51.311 h2
  text "Rev" at 300.402,-51.311 h2
  text ".Print_Date" at 263.402,-56.811 h3.5
  text ".PCB_REV" at 304.902,-56.811 h4
  text "Desginer" at 210.402,-61.311 h2
  text "Document" at 260.402,-61.311 h2
  text ".Pcb_File_Name_No_Path" at 261.902,-66.311 h1.5
  text ".PCB_ENGINEER" at 214.902,-66.811 h4
Handle:
  circle w0.05: c31.605,8.4 r1.2
  circle w0.05: c29.242,9.214 r1.2
  circle w0.05: c24.576,10.904 r1.2
  circle w0.05: c22.15,11.655 r1.2
  circle w0.05: c6.322,11.452 r1.8
  circle w0.05: c17.706,7.533 r1.8
  circle w0.05: c11.715,12.462 r0.8
  circle w0.05: c12.366,14.353 r0.8
  circle w0.05: c14.73,13.539 r0.8
  circle w0.05: c14.078,11.648 r0.8
  circle w0.05: c25.25,5.3 r1.2
  circle w0.05: c19,27.5 r2.1
  circle w0.05: c33.5,49.75 r2.1
  circle w0.05: c39.278,41.989 r0.8
  circle w0.05: c42.055,42.308 r0.8
  circle w0.05: c41.672,48.566 r0.8
  circle w0.05: c43.594,46.537 r0.8
  lines w0.05: 8.347,17.334 2.975,1.733 14.359,-2.187 19.731,13.414 8.35,17.333 ; 17.923,-49.428 cw(c16.331,-48.69) 16.575,-50.428 -26.6,-50.428 cw(c-26.383,-49.211) -27.6,-48.993 -7.5,8.685 12.6,66.363 13.089,66.852 cw(c15.257,64.684) 15.257,67.75 17.23,67.75 cw(c17.23,64.684) 19.398,66.852 27.25,59 ; 17.923,-49.428 27.899,-20.802 43.25,23.25 43.25,27.23 ccw(c40.184,27.23) 42.352,29.398 42.311,29.439 cw(c44.479,31.607) 41.413,31.607 41.413,32.75 45.7,45.052 45.7,45.354 cw(c49.285,45.354) 46.75,47.889 46.75,48.95 ccw(c43.684,48.95) 45.852,51.118 43.618,53.352 ccw(c41.45,51.184) 41.45,54.25 33.27,54.25 cw(c33.27,57.316) 31.102,55.148 26.648,59.602 ; 9.327,17.631 19.331,14.186 21.773,21.278 11.769,24.722 9.327,17.631 ; 11.529,25.687 12.115,27.389 15.416,26.225 14.839,24.548 11.529,25.687 ; 18.112,2.999 20.948,2.022 20.297,0.131 25.97,-1.823 26.622,0.068 29.458,-0.908 33.365,10.438 22.019,14.345 18.112,2.999 ; 20.579,16.638 21.719,19.948 23.421,19.362 22.281,16.052 20.579,16.638 ; 37.8,42.314 43.951,40.075 45.844,41.461 47.041,44.75 46.486,47.027 40.331,49.267 37.8,42.314
Assembly Top:
  text ".Layer_Name" at 264.902,-46.311 h3.5
Assembly Bottom:
  text ".Layer_Name" at 264.902,-46.311 h3.5
Drill Drawing:
  drawing of 188 lines, arcs and shapes, not listed
  text "Symbol" at 181.543,76 h0.96
  text "Count" at 188.342,76 h0.96
  text "Hole Size" at 196.24,76 h0.96
  text "Plated" at 212.002,76 h0.96
  text "Hole Type" at 218.8,76 h0.96
  text "Drill Layer Pair" at 228.637,76 h0.96
  text "Via/Pad" at 248.665,76 h0.96
  text "Pad Shape" at 256.583,76 h0.96
  text "Template" at 266.58,76 h0.96
  text "Hole Length" at 283.542,76 h0.96
  text "Routed Path Length" at 299.17,76 h0.96
  text "1" at 188.342,74 h0.8
  text "1,000mm (39,37mil)" at 196.24,74 h0.8
  text "NPTH" at 212.002,74 h0.8
  text "Round" at 218.8,74 h0.8
  text "Top Layer - Bottom Layer" at 228.637,74 h0.8
  text "Pad" at 248.665,74 h0.8
  text "Rounded" at 256.583,74 h0.8
  text "c0hn100m105" at 266.58,74 h0.8
  text "-" at 283.542,74 h0.8
  text "-" at 299.17,74 h0.8
  text "1" at 188.342,72 h0.8
  text "1,500mm (59,06mil)" at 196.24,72 h0.8
  text "PTH" at 212.002,72 h0.8
  text "Round" at 218.8,72 h0.8
  text "Top Layer - Bottom Layer" at 228.637,72 h0.8
  text "Pad" at 248.665,72 h0.8
  text "Rounded" at 256.583,72 h0.8
  text "c230h150" at 266.58,72 h0.8
  text "-" at 283.542,72 h0.8
  text "-" at 299.17,72 h0.8
  text "1" at 188.342,70 h0.8
  text "2,000mm (78,74mil)" at 196.24,70 h0.8
  text "NPTH" at 212.002,70 h0.8
  text "Round" at 218.8,70 h0.8
  text "Top Layer - Bottom Layer" at 228.637,70 h0.8
  text "Pad" at 248.665,70 h0.8
  text "Rounded" at 256.583,70 h0.8
  text "c0hn200m205" at 266.58,70 h0.8
  text "-" at 283.542,70 h0.8
  text "-" at 299.17,70 h0.8
  text "1" at 188.342,68 h0.8
  text "6,000mm (236,22mil)" at 196.24,68 h0.8
  text "NPTH" at 212.002,68 h0.8
  text "Round" at 218.8,68 h0.8
  text "Top Layer - Bottom Layer" at 228.637,68 h0.8
  text "Pad" at 248.665,68 h0.8
  text "Rounded" at 256.583,68 h0.8
  text "c0hn600m605" at 266.58,68 h0.8
  text "-" at 283.542,68 h0.8
  text "-" at 299.17,68 h0.8
  text "2" at 188.342,66 h0.8
  text "0,500mm (19,69mil)" at 196.24,66 h0.8
  text "PTH" at 212.002,66 h0.8
  text "Slot" at 218.8,66 h0.8
  text "Top Layer - Bottom Layer" at 228.637,66 h0.8
  text "Pad" at 248.665,66 h0.8
  text "Rounded" at 256.583,66 h0.8
  text "r155_90h50_115r100" at 266.58,66 h0.8
  text "1,150mm (45,28mil)" at 283.542,66 h0.8
  text "0,650mm (25,59mil)" at 299.17,66 h0.8
  text "D" at 181.144,65.85 h0.89
  text "2" at 188.342,64 h0.8
  text "0,600mm (23,62mil)" at 196.24,64 h0.8
  text "PTH" at 212.002,64 h0.8
  text "Slot" at 218.8,64 h0.8
  text "Top Layer - Bottom Layer" at 228.637,64 h0.8
  text "Pad" at 248.665,64 h0.8
  text "Rounded" at 256.583,64 h0.8
  text "r100_160h60_120r100" at 266.58,64 h0.8
  text "1,200mm (47,24mil)" at 283.542,64 h0.8
  text "0,600mm (23,62mil)" at 299.17,64 h0.8
  text "F" at 181.144,63.85 h0.89
  text "2" at 188.342,62 h0.8
  text "0,600mm (23,62mil)" at 196.24,62 h0.8
  text "PTH" at 212.002,62 h0.8
  text "Slot" at 218.8,62 h0.8
  text "Top Layer - Bottom Layer" at 228.637,62 h0.8
  text "Pad" at 248.665,62 h0.8
  text "Rounded" at 256.583,62 h0.8
  text "r100_210h60_170r100" at 266.58,62 h0.8
  text "1,700mm (66,93mil)" at 283.542,62 h0.8
  text "1,100mm (43,31mil)" at 299.17,62 h0.8
  text "E" at 181.144,61.85 h0.89
  text "2" at 188.342,60 h0.8
  text "1,200mm (47,24mil)" at 196.24,60 h0.8
  text "PTH" at 212.002,60 h0.8
  text "Round" at 218.8,60 h0.8
  text "Top Layer - Bottom Layer" at 228.637,60 h0.8
  text "Pad" at 248.665,60 h0.8
  text "Rounded" at 256.583,60 h0.8
  text "c170h120" at 266.58,60 h0.8
  text "-" at 283.542,60 h0.8
  text "-" at 299.17,60 h0.8
  text "2" at 188.342,58 h0.8
  text "2,300mm (90,55mil)" at 196.24,58 h0.8
  text "PTH" at 212.002,58 h0.8
  text "Round" at 218.8,58 h0.8
  text "Top Layer - Bottom Layer" at 228.637,58 h0.8
  text "Pad" at 248.665,58 h0.8
  text "Rounded" at 256.583,58 h0.8
  text "c345h230" at 266.58,58 h0.8
  text "-" at 283.542,58 h0.8
  text "-" at 299.17,58 h0.8
  text "C" at 181.144,57.85 h0.89
  text "3" at 188.342,56 h0.8
  text "1,200mm (47,24mil)" at 196.24,56 h0.8
  text "NPTH" at 212.002,56 h0.8
  text "Round" at 218.8,56 h0.8
  text "Top Layer - Bottom Layer" at 228.637,56 h0.8
  text "Pad" at 248.665,56 h0.8
  text "Rounded" at 256.583,56 h0.8
  text "c120hn120" at 266.58,56 h0.8
  text "-" at 283.542,56 h0.8
  text "-" at 299.17,56 h0.8
  text "3" at 188.342,54 h0.8
  text "4,000mm (157,48mil)" at 196.24,54 h0.8
  text "NPTH" at 212.002,54 h0.8
  text "Round" at 218.8,54 h0.8
  text "Top Layer - Bottom Layer" at 228.637,54 h0.8
  text "Pad" at 248.665,54 h0.8
  text "Rounded" at 256.583,54 h0.8
  text "c0hn400m405" at 266.58,54 h0.8
  text "-" at 283.542,54 h0.8
  text "-" at 299.17,54 h0.8
  text "4" at 188.342,52 h0.8
  text "0,800mm (31,50mil)" at 196.24,52 h0.8
  text "PTH" at 212.002,52 h0.8
  text "Slot" at 218.8,52 h0.8
  text "Top Layer - Bottom Layer" at 228.637,52 h0.8
  text "Pad" at 248.665,52 h0.8
  text "Rounded" at 256.583,52 h0.8
  text "r230_160h80_150r100" at 266.58,52 h0.8
  text "1,500mm (59,06mil)" at 283.542,52 h0.8
  text "0,700mm (27,56mil)" at 299.17,52 h0.8
  text "4" at 188.342,50 h0.8
  text "0,920mm (36,22mil)" at 196.24,50 h0.8
  text "PTH" at 212.002,50 h0.8
  text "Round" at 218.8,50 h0.8
  text "Top Layer - Bottom Layer" at 228.637,50 h0.8
  text "Pad" at 248.665,50 h0.8
  text "Rounded" at 256.583,50 h0.8
  text "c142h92" at 266.58,50 h0.8
  text "-" at 283.542,50 h0.8
  text "-" at 299.17,50 h0.8
  text "B" at 181.144,49.85 h0.89
  text "4" at 188.342,48 h0.8
  text "1,100mm (43,31mil)" at 196.24,48 h0.8
  text "PTH" at 212.002,48 h0.8
  text "Round" at 218.8,48 h0.8
  text "Top Layer - Bottom Layer" at 228.637,48 h0.8
  text "Pad" at 248.665,48 h0.8
  text "Rounded" at 256.583,48 h0.8
  text "c160h110" at 266.58,48 h0.8
  text "-" at 283.542,48 h0.8
  text "-" at 299.17,48 h0.8
  text "A" at 181.144,47.85 h0.89
  text "6" at 188.342,46 h0.8
  text "0,850mm (33,47mil)" at 196.24,46 h0.8
  text "PTH" at 212.002,46 h0.8
  text "Round" at 218.8,46 h0.8
  text "Top Layer - Bottom Layer" at 228.637,46 h0.8
  text "Pad" at 248.665,46 h0.8
  text "Rounded" at 256.583,46 h0.8
  text "c140h85" at 266.58,46 h0.8
  text "-" at 283.542,46 h0.8
  text "-" at 299.17,46 h0.8
  text "8" at 188.342,44 h0.8
  text "1,000mm (39,37mil)" at 196.24,44 h0.8
  text "PTH" at 212.002,44 h0.8
  text "Round" at 218.8,44 h0.8
  text "Top Layer - Bottom Layer" at 228.637,44 h0.8
  text "Pad" at 248.665,44 h0.8
  text "(Mixed)" at 256.583,44 h0.8
  text "(Mixed)" at 266.58,44 h0.8
  text "-" at 283.542,44 h0.8
  text "-" at 299.17,44 h0.8
  text "8" at 188.342,42 h0.8
  text "1,800mm (70,87mil)" at 196.24,42 h0.8
  text "PTH" at 212.002,42 h0.8
  text "Slot" at 218.8,42 h0.8
  text "Top Layer - Bottom Layer" at 228.637,42 h0.8
  text "Pad" at 248.665,42 h0.8
  text "Rounded" at 256.583,42 h0.8
  text "r700_300h180_500r100" at 266.58,42 h0.8
  text "5,000mm (196,85mil)" at 283.542,42 h0.8
  text "3,200mm (125,98mil)" at 299.17,42 h0.8
  text "12" at 188.342,40 h0.8
  text "0,800mm (31,50mil)" at 196.24,40 h0.8
  text "PTH" at 212.002,40 h0.8
  text "Round" at 218.8,40 h0.8
  text "Top Layer - Bottom Layer" at 228.637,40 h0.8
  text "Pad" at 248.665,40 h0.8
  text "(Mixed)" at 256.583,40 h0.8
  text "(Mixed)" at 266.58,40 h0.8
  text "-" at 283.542,40 h0.8
  text "-" at 299.17,40 h0.8
  text "18" at 188.342,38 h0.8
  text "0,650mm (25,59mil)" at 196.24,38 h0.8
  text "PTH" at 212.002,38 h0.8
  text "Round" at 218.8,38 h0.8
  text "Top Layer - Bottom Layer" at 228.637,38 h0.8
  text "Pad" at 248.665,38 h0.8
  text "(Mixed)" at 256.583,38 h0.8
  text "(Mixed)" at 266.58,38 h0.8
  text "-" at 283.542,38 h0.8
  text "-" at 299.17,38 h0.8
  text "26" at 188.342,36 h0.8
  text "0,300mm (11,81mil)" at 196.24,36 h0.8
  text "PTH" at 212.002,36 h0.8
  text "Round" at 218.8,36 h0.8
  text "Top Layer - Bottom Layer" at 228.637,36 h0.8
  text "Via" at 248.665,36 h0.8
  text "Rounded" at 256.583,36 h0.8
  text "v70h30m35" at 266.58,36 h0.8
  text "-" at 283.542,36 h0.8
  text "-" at 299.17,36 h0.8
  text "63" at 188.342,34 h0.8
  text "0,900mm (35,43mil)" at 196.24,34 h0.8
  text "PTH" at 212.002,34 h0.8
  text "Round" at 218.8,34 h0.8
  text "Top Layer - Bottom Layer" at 228.637,34 h0.8
  text "Pad" at 248.665,34 h0.8
  text "(Mixed)" at 256.583,34 h0.8
  text "(Mixed)" at 266.58,34 h0.8
  text "-" at 283.542,34 h0.8
  text "-" at 299.17,34 h0.8
  text "173 Total" at 188.342,32 h0.8
  text "Slot definitions :" at 181.543,30.034 h0.8
  text "Routed Path Length" at 195.359,30.034 h0.8
  text "= Calculated from tool start centre position to tool end centre position." at 210.108,30.034 h0.8
  text "Hole Length" at 195.359,28.667 h0.8
  text "= Routed Path Length + Tool Size = Slot length as defined in the PCB layout" at 204.643,28.667 h0.8
  text ".Layer_Name" at 264.902,-46.311 h3.5
Panel:
  drawing of 177 lines, arcs and shapes, not listed
  text "Mill PCB edges but leave them connected with a few breakaway tabs" at 25,80.5 h2
  text "DESIGN 1" at 56.1,69.5 h2
  text "DESIGN 3" at 136.6,63.9 h2
  text "Board Cutout" at 143.2,51.2 h0.5 r90
  text "DESIGN 5" at 61.9,40.1 h2
  text "DESIGN 2" at 106.5,36.8 h2
  text "Board Cutout" at 111,28.6 h0.5
  text "DESIGN 4" at 144.6,27.1 h1.5
  text "DESIGN 5" at 61.9,24.1 h2
  text "Board Cutout" at 150.4,19.3 h0.5 r90
  text "DESIGN 5" at 61.9,8.1 h2
  text "DESIGN 5" at 119,8.1 h2
  text ".Layer_Name" at 264.902,-46.311 h3.5

## Dimensions
0.481,1.217 to 149.5,84.573 on Fabrication
0,127 to -6.5,0 on Fabrication

## Text inside footprints (layer, text, board x,y; h text height)
C1: Assembly Top "+" at 107.35,83.25 h1 r270; Top Overlay "+" at 107.35,83.25 h1 r270
C8: Assembly Top "+" at 69.75,93.752 h1; Top Overlay "+" at 69.75,93.752 h1
D3: Top Overlay "C" at 29,123.3 h0.8
J1: Comments "PCB EDGE" at 27.435,2.432 h0.8 r161
J3: Comments "PCB EDGE" at 10.282,1.771 h0.5 r341
J4: Comments "PCB Edge" at 7.26,2.994 h0.61 r341